# Allegro board 6089-119-RevB_08.brd (continued)
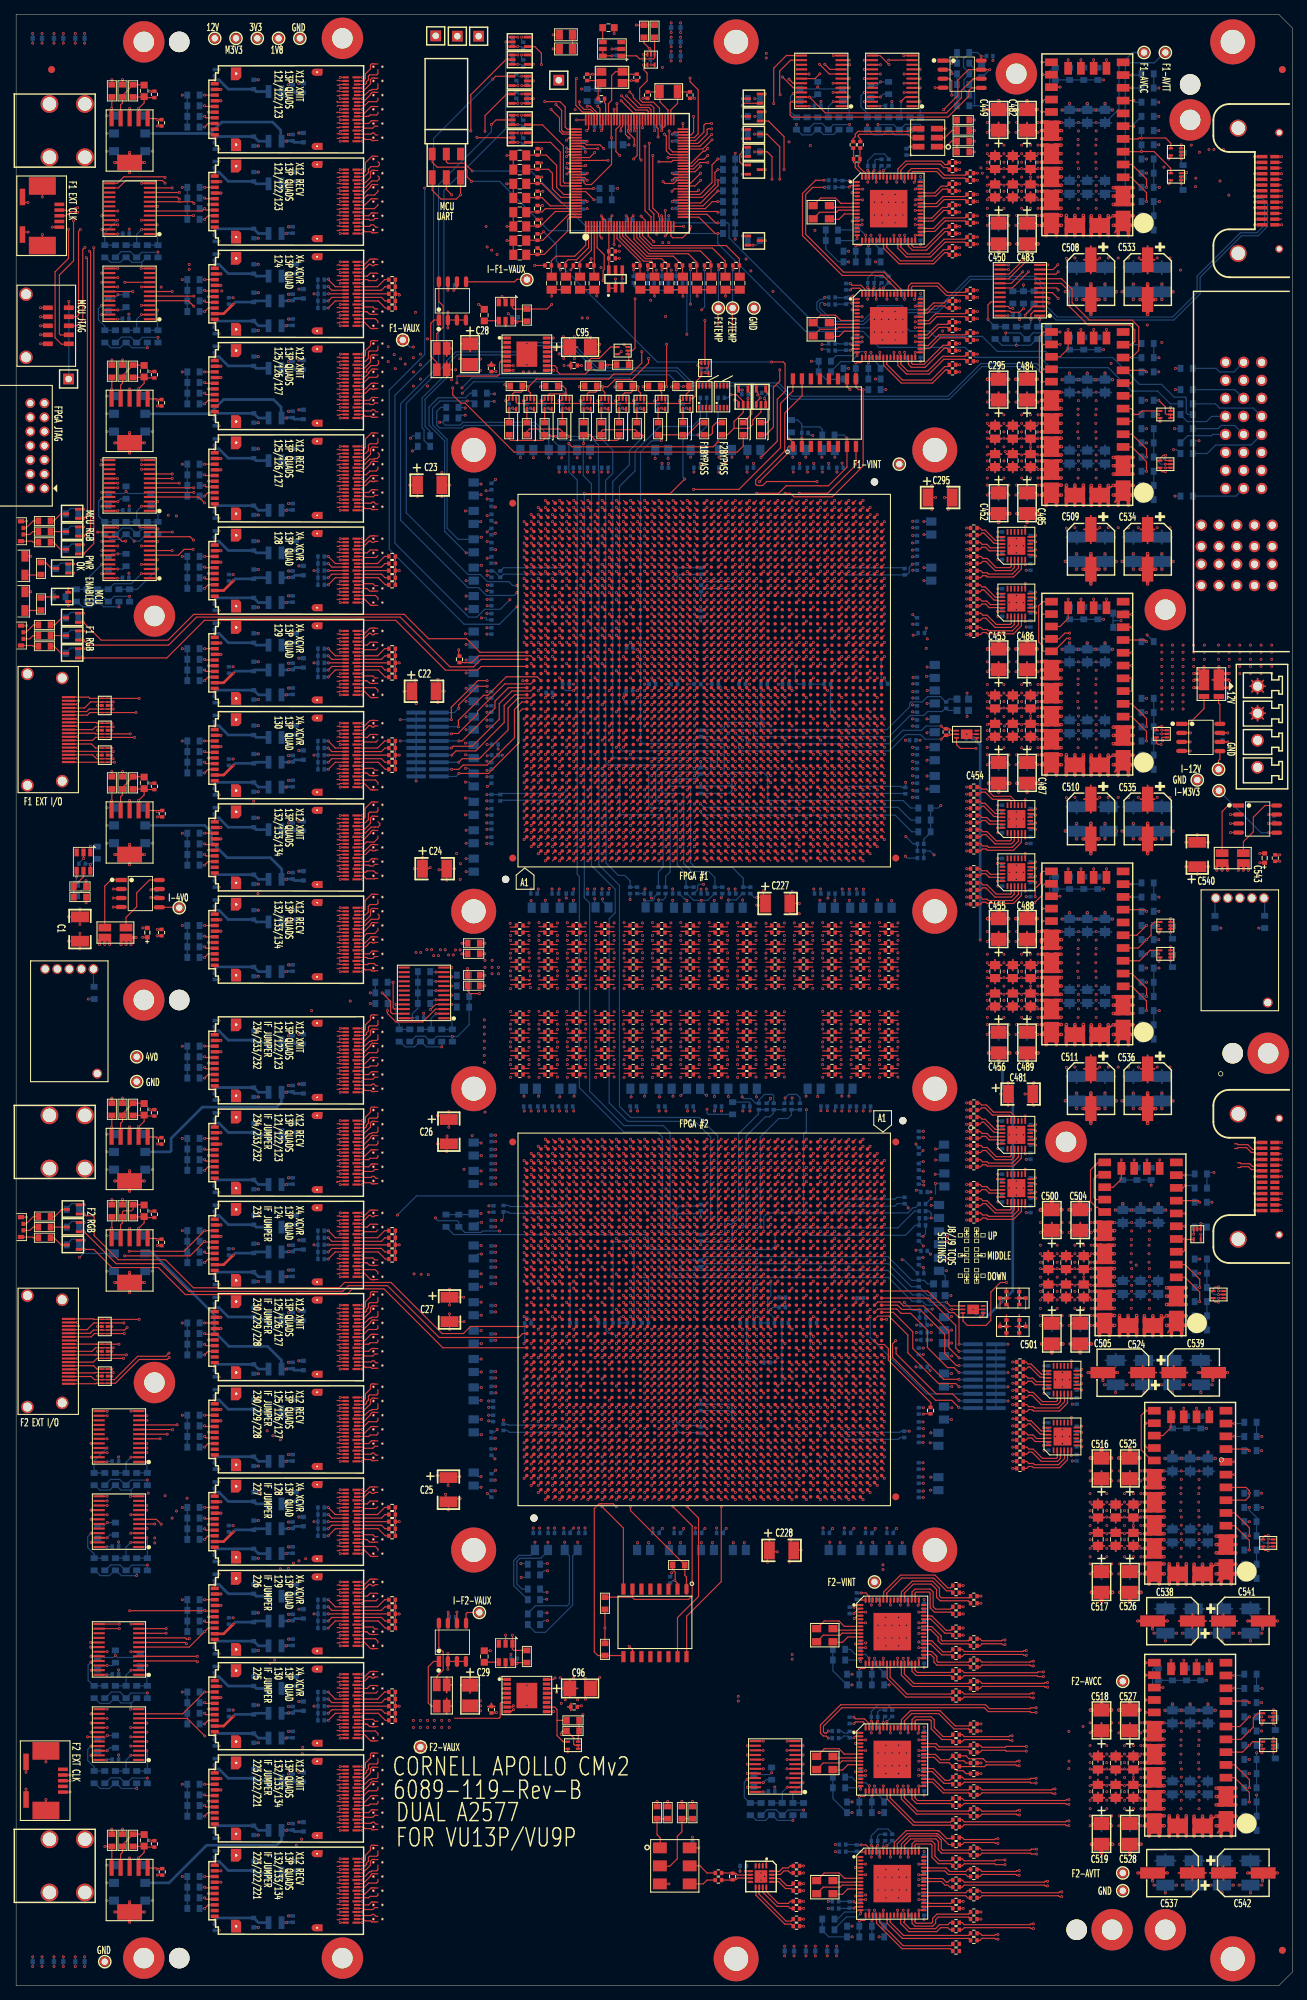
[diagram p0: board, top side]
## Routing (per net, layer and track width the routed paths; a pad name or vN(x,y) marks a point on that pad's centre or on a via; arc(x,y) is an arc through that point) (continued)
NF2_M_XMIT0: length 34.4
  TOP w0.165: 72.51,141.24 72.52,141.22 72.52,141.21 72.5,141.18 72.45,141.18 72.39,141.12 72.3,141.16 72.3,141.09 71.64,141.09 C49.2 ; U77.BK8 72.61,112.29
  SIG1 w0.083: 72.61,112.29 72.61,112.27 arc(72.5,112.01) 72.25,111.91 71.4,111.91 arc(71.3,111.95) 71.26,112.05 71.26,116.61 71.45,116.81 71.45,117.14 71.26,117.33 71.26,117.66 71.45,117.85 71.45,118.18 71.26,118.37 71.26,118.7 71.45,118.89 71.45,119.22 71.26,119.41 71.26,119.74 71.45,119.93 71.45,120.26 71.26,120.45 71.26,120.78 71.45,120.97 71.45,121.3 71.26,121.49 71.26,125.18 71.24,125.2 71.24,125.34 arc(71.33,125.8) 71.59,126.19 arc(71.85,126.58) 71.94,127.05 71.94,141.32 arc(71.97,141.38) 72.02,141.4 72.12,141.4 arc(72.33,141.36) 72.51,141.24
NF2_M_XMIT1: length 38.5
  TOP w0.165: U77.BL10 71.61,110.29 ; 72.35,143.55 71.6,143.55 C47.2
  SIG1 w0.083: 71.61,110.29 71.61,110.17 arc(71.53,109.99) 71.35,109.91 71,109.91 arc(70.62,110.07) 70.46,110.45 70.46,113.37 70.6,113.51 70.6,113.84 70.46,113.98 70.46,114.31 70.6,114.45 70.6,114.78 70.46,114.92 70.46,115.25 70.6,115.39 70.6,115.72 70.46,115.86 70.46,121.55 70.65,121.74 70.65,122.07 70.46,122.26 70.46,122.59 70.65,122.78 70.65,123.11 70.46,123.3 70.46,123.63 70.65,123.82 70.65,124.15 70.46,124.34 70.46,125.38 arc(70.48,125.54) 70.52,125.69 arc(70.55,125.75) 70.58,125.8 arc(70.63,125.88) 70.7,125.95 71.1,126.35 arc(71.33,126.7) 71.41,127.1 71.41,143.21 arc(71.58,143.64) 72.01,143.81 72.08,143.81 arc(72.11,143.8) 72.14,143.78 72.35,143.55
NF2_M_XMIT2: length 44.7
  TOP w0.165: 72.3,146.09 71.64,146.09 C45.2 ; U77.BK12 72.61,108.29
  SIG1 w0.083: 72.3,146.09 72.1,146.29 arc(72.07,146.31) 72.04,146.31 71.96,146.31 arc(71.18,145.99) 70.86,145.22 70.86,127.7 arc(70.75,127.16) 70.44,126.7 70.2,126.45 arc(69.84,125.91) 69.71,125.27 69.71,122.06 69.85,121.92 69.85,121.59 69.71,121.45 69.71,121.12 69.85,120.98 69.85,120.65 69.71,120.51 69.71,120.18 69.85,120.04 69.85,119.71 69.71,119.57 69.71,119.24 69.85,119.1 69.85,118.77 69.71,118.63 69.71,118.3 69.85,118.16 69.85,117.83 69.71,117.69 69.71,117.36 69.85,117.22 69.85,116.89 69.71,116.75 69.71,108.75 arc(69.96,108.16) 70.55,107.91 72.1,107.91 arc(72.22,107.93) 72.32,108 72.61,108.29
NF2_M_XMIT3: length 48.9
  TOP w0.165: C43.2 71.6,148.55 72.3,148.55 ; U77.BL14 71.61,106.29
  SIG1 w0.083: 71.61,106.29 71.61,106.17 arc(71.52,105.95) 71.3,105.86 71.2,105.86 arc(69.86,106.41) 69.31,107.75 69.31,107.94 arc(69.25,108.21) 69.1,108.45 69.05,108.5 arc(68.91,108.71) 68.86,108.95 68.86,112.63 68.95,112.72 68.95,113.05 68.86,113.14 68.86,113.47 68.95,113.56 68.95,113.89 68.86,113.98 68.86,114.31 68.95,114.4 68.95,114.73 68.86,114.82 68.86,115.15 68.95,115.24 68.95,115.57 68.86,115.66 68.86,122.22 68.95,122.31 68.95,122.64 68.86,122.73 68.86,123.06 68.95,123.15 68.95,123.48 68.86,123.57 68.86,123.9 68.95,123.99 68.95,124.32 68.86,124.41 68.86,124.74 68.95,124.83 68.95,125.16 68.86,125.25 68.86,126.03 arc(68.87,126.06) 68.88,126.09 70.15,127.35 arc(70.23,127.48) 70.26,127.62 70.26,147.08 arc(70.76,148.28) 71.96,148.78 72.04,148.78 arc(72.07,148.77) 72.1,148.75 72.3,148.55
NF2_N_RECV0: length 15.3
  TOP w0.165: 76.3,129.25 75.6,129.25 C72.1 ; U77.BF3 76.61,117.29
  SIG2 w0.083: 76.3,129.25 76.09,129.04 arc(76.05,129.01) 76,129 arc(75.76,128.9) 75.67,128.67 75.67,127.55 arc(75.7,127.4) 75.78,127.27 ; 75.78,127.27 75.78,127.27 75.78,127.27 ; 75.78,127.27 76.84,126.21 arc(76.95,126.04) 76.99,125.85 76.99,117.11 arc(76.93,116.96) 76.77,116.9 76.69,116.9 arc(76.63,116.92) 76.61,116.98 76.61,117.29
NF2_N_RECV1: length 19.8
  TOP w0.165: 76.3,131.71 75.64,131.71 C70.1 ; U77.BG5 75.61,115.29
  SIG2 w0.083: 75.61,115.29 75.61,114.98 arc(75.63,114.92) 75.69,114.9 75.77,114.9 arc(75.97,114.98) 76.05,115.17 76.05,123.03 76.04,123.03 76.04,123.5 76.05,123.5 76.05,125.23 arc(75.95,125.76) 75.67,126.22 arc(75.32,126.81) 75.19,127.49 75.19,130.72 arc(75.42,131.26) 75.96,131.49 76.04,131.49 arc(76.07,131.49) 76.1,131.51 76.3,131.71
NF2_N_RECV2: length 18.8
  TOP w0.165: C69.1 75.59,133.54 76.3,133.54 ; U77.BG1 75.61,119.29
  SIG2 w0.083: 75.61,119.29 75.61,118.98 arc(75.58,118.92) 75.53,118.9 75.44,118.9 arc(75.32,118.95) 75.28,119.06 75.28,119.95 75.5,120.18 75.5,120.51 75.28,120.73 75.28,121.06 75.5,121.29 75.5,121.62 75.28,121.84 75.28,122.17 75.5,122.4 75.5,122.73 75.28,122.95 75.28,123.42 arc(75.27,123.48) 75.26,123.55 arc(75.22,123.7) 75.14,123.84 arc(74.92,124.31) 74.85,124.83 74.85,125.4 74.95,125.5 74.95,125.83 74.85,125.93 74.85,126.26 74.95,126.36 74.95,126.69 74.85,126.79 74.85,132.66 arc(75.17,133.44) 75.96,133.77 76.04,133.77 arc(76.07,133.76) 76.1,133.74 76.3,133.54
NF2_N_RECV3: length 23.8
  TOP w0.165: C67.1 75.59,136.04 76.3,136.04 ; U77.BH3 74.61,117.29
  SIG2 w0.083: 76.3,136.04 76.1,136.24 arc(76.07,136.26) 76.04,136.27 75.2,136.27 arc(74.56,136) 74.3,135.37 74.3,127.54 74.4,127.44 74.4,127.11 74.3,127.01 74.3,126.68 74.4,126.58 74.4,126.25 74.3,126.15 74.3,125.82 74.4,125.72 74.4,125.39 74.3,125.29 74.3,123.8 arc(74.29,123.69) 74.25,123.57 arc(74.22,123.46) 74.21,123.34 74.21,122.8 74.35,122.66 74.35,122.33 74.21,122.19 74.21,121.86 74.35,121.72 74.35,121.39 74.21,121.25 74.21,120.92 74.35,120.77 74.35,120.44 74.21,120.3 74.21,117.13 arc(74.28,116.97) 74.44,116.9 74.53,116.9 arc(74.58,116.92) 74.61,116.98 74.61,117.29
NF2_N_XMIT0: length 32.8
  TOP w0.165: C64.2 75.6,141.75 76.3,141.75 ; U77.BF8 76.61,112.29
  SIG1 w0.083: 76.3,141.75 76.08,141.53 arc(76.04,141.5) 76,141.5 arc(75.9,141.48) 75.82,141.42 75.75,141.35 arc(75.67,141.23) 75.64,141.08 75.64,140.59 arc(75.72,140.2) 75.94,139.86 76.98,138.83 arc(77.02,138.76) 77.04,138.68 77.04,112.06 77.05,112.05 arc(77.01,111.95) 76.91,111.91 76.83,111.91 arc(76.67,111.97) 76.61,112.13 76.61,112.29
NF2_N_XMIT1: length 36.4
  TOP w0.165: C62.2 75.64,144.21 76.3,144.21 ; U77.BH8 74.61,112.29
  SIG1 w0.083: 76.3,144.21 76.19,144.1 arc(76.03,144) 75.85,143.96 75.64,143.96 arc(75.48,143.93) 75.35,143.84 75.28,143.77 arc(75.22,143.68) 75.2,143.57 75.2,139.06 arc(75.25,138.78) 75.41,138.54 75.49,138.46 arc(75.6,138.3) 75.64,138.1 75.64,127.88 arc(75.68,127.68) 75.8,127.5 76,127.3 76.01,127.28 arc(76.04,127.18) 76.05,127.07 76.05,125.58 76.04,125.58 76.04,125.53 arc(76.04,125.48) 76.04,125.44 arc(76.03,125.39) 76.03,125.35 arc(76.03,125.3) 76.04,125.25 arc(76.05,125.18) 76.05,125.12 76.05,123.4 arc(76.05,123.36) 76.05,123.31 arc(76.04,123.26) 76.05,123.21 arc(76.05,123.18) 76.05,123.15 76.05,112.05 arc(75.99,111.92) 75.86,111.86 75.15,111.86 arc(75.05,111.88) 74.96,111.94 74.61,112.29
NF2_N_XMIT2: length 43.9
  TOP w0.165: C59.2 75.6,148.55 76.3,148.55 ; U77.BJ10 73.61,110.29
  SIG1 w0.083: 76.3,148.55 76.07,148.78 arc(76.05,148.8) 76.03,148.8 74.75,148.8 arc(74.43,148.67) 74.3,148.35 74.3,140.05 arc(74.22,139.63) 73.98,139.28 73.45,138.75 arc(73.3,138.53) 73.25,138.27 73.25,122.89 arc(73.26,122.85) 73.28,122.82 73.45,122.65 73.45,122.32 73.25,122.12 73.25,121.79 73.45,121.59 73.45,121.26 73.25,121.06 73.25,120.73 73.45,120.53 73.45,120.2 73.25,120 73.25,119.67 73.45,119.47 73.45,119.14 73.25,118.94 73.25,110.09 arc(73.31,109.95) 73.44,109.9 73.53,109.9 arc(73.58,109.92) 73.61,109.98 73.61,110.29
NF2_N_XMIT3: length 41.8
  TOP w0.165: 76.3,146.05 75.6,146.05 C61.2 ; U77.BG10 75.61,110.29
  SIG1 w0.083: 75.61,110.29 75.61,109.98 arc(75.58,109.92) 75.53,109.9 74.45,109.9 74.45,109.9 74.4,109.92 74.39,109.93 74.37,109.93 74.36,109.93 74.33,109.93 74.31,109.95 74.28,109.97 74.25,110.04 74.25,120.18 74.4,120.33 74.4,120.66 74.25,120.8 74.25,121.13 74.4,121.28 74.4,121.61 74.25,121.76 74.25,122.09 74.4,122.23 74.4,122.56 74.25,122.71 74.25,123.64 74.4,123.79 74.4,124.12 74.25,124.27 74.25,124.6 74.4,124.74 74.4,125.07 74.25,125.22 74.25,125.55 74.4,125.69 74.4,126.02 74.25,126.17 74.25,126.59 arc(74.31,126.87) 74.47,127.11 74.73,127.37 arc(74.89,127.61) 74.95,127.9 74.95,146.05 arc(75.02,146.21) 75.18,146.28 76.04,146.28 arc(76.07,146.27) 76.1,146.25 76.3,146.05
NF2_O_RECV0: length 15.3
  TOP w0.165: U77.BB3 80.61,117.29 ; 80.3,129.25 79.6,129.25 C92.1
  SIG2 w0.083: 79.78,127.27 79.78,127.27 79.78,127.27 ; 79.78,127.27 80.84,126.21 arc(80.95,126.04) 80.99,125.85 80.99,117.11 arc(80.93,116.96) 80.77,116.9 80.69,116.9 arc(80.63,116.92) 80.61,116.98 80.61,117.29 ; 79.78,127.27 arc(79.7,127.4) 79.67,127.55 79.67,128.67 arc(79.76,128.9) 80,129 arc(80.05,129.01) 80.09,129.04 80.3,129.25
NF2_O_RECV1: length 15.9
  TOP w0.165: C90.1 79.64,131.71 80.3,131.71 ; U77.BC1 79.61,119.29
  SIG2 w0.083: 79.61,119.29 79.61,118.98 arc(79.63,118.92) 79.69,118.9 79.77,118.9 arc(79.96,118.97) 80.04,119.16 80.04,125.75 arc(79.98,126.04) 79.82,126.28 79.48,126.62 arc(79.27,126.94) 79.19,127.33 79.19,130.72 arc(79.42,131.26) 79.96,131.49 80.04,131.49 arc(80.07,131.49) 80.1,131.51 80.3,131.71
NF2_O_RECV2: length 20.9
  TOP w0.165: 80.3,134.25 79.6,134.25 C88.1 ; U77.BD3 78.61,117.29
  SIG2 w0.083: 80.3,134.25 80.1,134.05 arc(80.07,134.03) 80.04,134.02 79.25,134.02 arc(78.82,133.85) 78.64,133.42 78.64,126.46 arc(78.7,126.18) 78.84,125.92 arc(78.99,125.65) 79.04,125.35 79.04,117.16 arc(78.96,116.97) 78.77,116.9 78.69,116.9 arc(78.63,116.92) 78.61,116.98 78.61,117.29
NF2_O_RECV3: length 21.6
  TOP w0.165: 80.3,136.7 79.65,136.7 C86.1 ; U77.BE1 77.61,119.29
  SIG2 w0.083: 77.61,119.29 77.61,118.98 arc(77.63,118.92) 77.69,118.9 77.77,118.9 77.89,118.95 77.94,119.06 77.94,123.1 77.94,123.11 77.94,123.39 77.94,123.4 77.94,124.42 arc(77.96,124.63) 78.01,124.84 78.04,124.93 arc(78.05,124.95) 78.05,124.98 78.09,125.22 arc(78.1,125.31) 78.1,125.39 78.1,135.57 arc(78.36,136.21) 79,136.47 80.04,136.47 arc(80.07,136.48) 80.1,136.5 80.3,136.7
NF2_O_XMIT0: length 32.8
  TOP w0.165: C84.2 79.6,141.75 80.3,141.75 ; U77.BB8 80.61,112.29
  SIG1 w0.083: 80.61,112.29 80.61,112.13 arc(80.67,111.97) 80.83,111.91 80.91,111.91 arc(81.01,111.95) 81.05,112.05 81.04,112.06 81.04,135.83 81.04,135.83 81.04,136.3 81.04,136.3 81.04,138.56 arc(80.98,138.89) 80.79,139.16 79.84,140.12 arc(79.69,140.33) 79.64,140.59 79.64,141.08 arc(79.67,141.23) 79.75,141.35 79.82,141.42 arc(79.9,141.48) 80,141.5 arc(80.04,141.5) 80.08,141.53 80.3,141.75
NF2_O_XMIT1: length 33.5
  TOP w0.165: C82.2 79.64,144.21 80.3,144.21 ; U77.BC6 79.61,114.29
  SIG1 w0.083: 80.3,144.21 80.19,144.1 arc(80.03,144) 79.85,143.96 79.64,143.96 arc(79.48,143.93) 79.35,143.84 79.28,143.77 arc(79.22,143.68) 79.2,143.57 79.2,139.06 arc(79.25,138.78) 79.41,138.54 79.49,138.46 arc(79.6,138.3) 79.64,138.1 79.64,127.88 arc(79.68,127.68) 79.8,127.5 80,127.3 80.01,127.28 arc(80.04,127.18) 80.05,127.07 80.05,125.58 80.04,125.58 80.04,125.12 80.05,125.11 80.05,114.05 arc(80.01,113.95) 79.91,113.91 79.83,113.91 arc(79.67,113.97) 79.61,114.13 79.61,114.29
NF2_O_XMIT2: length 38.2
  TOP w0.165: C80.2 79.6,146.75 80.3,146.75 ; U77.BD8 78.61,112.29
  SIG1 w0.083: 80.3,146.75 80.18,146.63 arc(80.05,146.54) 79.9,146.51 79.47,146.51 arc(79.41,146.51) 79.35,146.5 arc(79.13,146.44) 78.94,146.33 arc(78.88,146.29) 78.84,146.24 arc(78.69,145.99) 78.64,145.71 78.64,138.38 78.74,138 78.74,127.1 arc(78.78,126.92) 78.88,126.78 78.93,126.72 arc(79.02,126.59) 79.05,126.43 79.05,123.5 79.04,123.5 79.04,123.03 79.05,123.03 79.05,112.05 arc(79.01,111.95) 78.91,111.91 78.83,111.91 arc(78.67,111.97) 78.61,112.13 78.61,112.29
NF2_O_XMIT3: length 39.3
  TOP w0.165: U77.BE6 77.61,114.29 ; 80.3,149.2 79.65,149.2 C78.2
  SIG1 w0.083: 77.61,114.29 77.61,114.13 arc(77.67,113.97) 77.83,113.91 77.91,113.91 arc(78.01,113.95) 78.05,114.05 78.05,148.34 arc(78.05,148.4) 78.07,148.47 arc(78.14,148.65) 78.27,148.81 arc(78.43,148.92) 78.62,148.96 79.9,148.96 arc(80.05,148.99) 80.17,149.07 80.3,149.2
NF2_P_RECV0: length 15.3
  TOP w0.165: 84.3,129.25 83.6,129.25 C113.1 ; U77.AV3 84.61,117.29
  SIG2 w0.083: 84.3,129.25 84.09,129.04 arc(84.05,129.01) 84,129 arc(83.76,128.9) 83.67,128.67 83.67,127.55 arc(83.7,127.4) 83.78,127.27 ; 83.78,127.27 83.78,127.27 83.78,127.27 ; 83.78,127.27 84.84,126.21 arc(84.95,126.04) 84.99,125.85 84.99,117.11 arc(84.93,116.96) 84.77,116.9 84.69,116.9 arc(84.63,116.92) 84.61,116.98 84.61,117.29
NF2_P_RECV1: length 15.9
  TOP w0.165: C111.1 83.64,131.71 84.3,131.71 ; U77.AW1 83.61,119.29
  SIG2 w0.083: 84.3,131.71 84.1,131.51 arc(84.07,131.49) 84.04,131.49 83.96,131.49 arc(83.42,131.26) 83.19,130.72 83.19,127.33 arc(83.27,126.94) 83.48,126.62 83.82,126.28 arc(83.98,126.04) 84.04,125.75 84.04,119.16 arc(83.96,118.97) 83.77,118.9 83.69,118.9 arc(83.63,118.92) 83.61,118.98 83.61,119.29
NF2_P_RECV2: length 20.9
  TOP w0.165: 84.3,134.25 83.6,134.25 C109.1 ; U77.AY3 82.61,117.29
  SIG2 w0.083: 84.3,134.25 84.1,134.05 arc(84.07,134.03) 84.04,134.02 83.25,134.02 arc(82.82,133.85) 82.64,133.42 82.64,126.46 arc(82.7,126.18) 82.84,125.92 arc(82.99,125.65) 83.04,125.35 83.04,117.16 arc(82.96,116.97) 82.77,116.9 82.69,116.9 arc(82.63,116.92) 82.61,116.98 82.61,117.29
NF2_P_RECV3: length 21.6
  TOP w0.165: C107.1 83.65,136.7 84.3,136.7 ; U77.BA1 81.61,119.29
  SIG2 w0.083: 84.3,136.7 84.1,136.5 arc(84.07,136.48) 84.04,136.47 83,136.47 arc(82.36,136.21) 82.1,135.57 82.1,125.3 arc(82.08,125.07) 82.01,124.84 arc(81.98,124.75) 81.96,124.67 arc(81.94,124.6) 81.94,124.54 81.94,119.06 arc(81.89,118.95) 81.77,118.9 81.69,118.9 arc(81.63,118.92) 81.61,118.98 81.61,119.29
NF2_P_XMIT0: length 32.8
  TOP w0.165: 84.3,141.75 83.6,141.75 C105.2 ; U77.AV8 84.61,112.29
  SIG1 w0.083: 84.61,112.29 84.61,112.13 arc(84.67,111.97) 84.83,111.91 84.91,111.91 arc(85.01,111.95) 85.05,112.05 85.04,112.06 85.04,138.56 arc(84.98,138.89) 84.79,139.16 83.84,140.11 arc(83.69,140.33) 83.64,140.59 83.64,141.08 arc(83.67,141.23) 83.75,141.35 83.82,141.42 arc(83.9,141.48) 84,141.5 arc(84.04,141.5) 84.08,141.53 84.3,141.75
NF2_P_XMIT1: length 33.5
  TOP w0.165: 84.3,144.21 83.64,144.21 C103.2 ; U77.AW6 83.61,114.29
  SIG1 w0.083: 83.61,114.29 83.61,114.13 arc(83.67,113.97) 83.83,113.91 83.91,113.91 arc(84.01,113.95) 84.05,114.05 84.05,125.11 84.04,125.12 84.04,125.58 84.05,125.58 84.05,127.07 arc(84.04,127.18) 84.01,127.28 84,127.3 83.8,127.5 arc(83.68,127.68) 83.64,127.88 83.64,138.1 arc(83.6,138.3) 83.49,138.46 83.41,138.54 arc(83.25,138.78) 83.2,139.06 83.2,143.57 arc(83.22,143.68) 83.28,143.77 83.35,143.84 arc(83.48,143.93) 83.64,143.96 83.85,143.96 arc(84.03,144) 84.19,144.1 84.3,144.21
NF2_P_XMIT2: length 38.2
  TOP w0.165: 84.3,146.75 83.6,146.75 C101.2 ; U77.AY8 82.61,112.29
  SIG1 w0.083: 82.61,112.29 82.61,112.13 arc(82.67,111.97) 82.83,111.91 82.91,111.91 arc(83.01,111.95) 83.05,112.05 83.05,123.03 83.04,123.03 83.04,123.5 83.05,123.5 83.05,126.43 arc(83.02,126.59) 82.93,126.72 82.88,126.78 arc(82.78,126.92) 82.74,127.1 82.74,138 82.64,138.38 82.64,145.71 arc(82.69,145.99) 82.84,146.24 arc(82.88,146.29) 82.94,146.33 arc(83.13,146.44) 83.35,146.5 arc(83.41,146.51) 83.47,146.51 83.9,146.51 arc(84.05,146.54) 84.18,146.63 84.3,146.75
NF2_P_XMIT3: length 39.3
  TOP w0.165: U77.BA6 81.61,114.29 ; 84.3,149.2 83.65,149.2 C99.2
  SIG1 w0.083: 81.61,114.29 81.61,114.13 arc(81.67,113.97) 81.83,113.91 81.91,113.91 arc(82.01,113.95) 82.05,114.05 82.05,148.34 arc(82.05,148.4) 82.07,148.47 arc(82.14,148.65) 82.27,148.81 arc(82.43,148.92) 82.62,148.96 83.9,148.96 arc(84.05,148.99) 84.17,149.07 84.3,149.2
NF2_TCDS_CROSS_RECV_A: length 114.9
  TOP w0.165: 112.3,148.54 111.59,148.54 C238.1 ; U77.BH35 74.61,84.51
  SIG2 w0.083: 112.3,148.54 112.1,148.74 arc(112.07,148.76) 112.04,148.77 111,148.77 arc(110.51,148.56) 110.31,148.07 110.31,140.34 arc(110.26,140.08) 110.11,139.87 110.03,139.78 arc(109.71,139.57) 109.32,139.49 70.34,139.49 arc(69.51,139.33) 68.8,138.86 67.83,137.89 arc(67.4,137.25) 67.25,136.49 67.25,111.78 arc(67.48,110.64) 68.13,109.67 68.99,108.81 arc(69.37,108.24) 69.5,107.58 69.5,86.85 arc(69.54,86.67) 69.64,86.51 69.9,86.25 arc(70.07,86.14) 70.26,86.1 74.75,86.1 arc(75.07,85.97) 75.2,85.65 75.2,85.33 arc(75.08,85.03) 74.77,84.9 74.69,84.9 arc(74.63,84.88) 74.61,84.82 74.61,84.51
NF2_TCDS_CROSS_RECV_B: length 79.1
  TOP w0.165: C244.1 111.64,141.09 112.3,141.09 ; U77.BH17 74.61,103.29
  SIG2 w0.083: 112.3,141.09 112.1,141.29 arc(112.07,141.31) 112.04,141.32 111.96,141.32 arc(111.93,141.31) 111.91,141.31 arc(111.86,141.28) 111.84,141.23 111.84,140.22 arc(111.86,140.11) 111.92,140.03 111.97,139.98 arc(112.1,139.78) 112.15,139.54 112.15,135.81 112.25,135.71 112.25,135.38 112.15,135.28 112.15,134.95 112.25,134.85 112.25,134.52 112.15,134.42 112.15,134.09 112.25,133.99 112.25,133.66 112.15,133.56 112.15,133.23 112.25,133.13 112.25,132.8 112.15,132.7 112.15,132.37 112.25,132.27 112.25,131.94 112.15,131.84 112.15,131.51 112.25,131.41 112.25,131.08 112.15,130.98 112.15,130.65 112.25,130.55 112.25,130.22 112.15,130.12 112.15,129.79 112.25,129.69 112.25,129.36 112.15,129.26 112.15,119.89 arc(112.13,119.72) 112.08,119.57 arc(112.05,119.51) 112.05,119.44 112.05,113.15 arc(111.91,112.83) 111.59,112.69 77.5,112.69 arc(77.29,112.61) 77.21,112.4 77.21,105.1 arc(77.09,104.81) 76.8,104.69 74.5,104.69 arc(74.29,104.61) 74.21,104.4 74.21,103 arc(74.25,102.9) 74.35,102.86 74.45,102.86 arc(74.56,102.91) 74.61,103.02 74.61,103.29
NF2_TCDS_CROSS_XMIT_A: length 116
  TOP w0.165: C239.1 111.6,146.75 112.3,146.75 ; U77.BG38 75.61,81.51
  SIG2 w0.083: 75.61,81.51 75.61,81.82 arc(75.58,81.88) 75.53,81.9 75.44,81.9 arc(75.17,82.02) 75.05,82.3 75.05,83.7 arc(75.18,84.02) 75.5,84.15 75.7,84.15 arc(75.91,84.24) 76,84.45 76,86.7 arc(75.94,86.84) 75.8,86.9 70.85,86.9 arc(70.25,87.15) 70,87.75 70,108.12 arc(69.86,108.84) 69.45,109.45 68.7,110.2 arc(68.18,110.97) 68,111.89 68,136.34 arc(68.12,136.95) 68.46,137.46 69.21,138.21 arc(69.93,138.69) 70.77,138.86 109.47,138.86 arc(109.88,138.94) 110.23,139.17 110.23,139.18 arc(110.53,139.63) 110.64,140.17 110.64,145.92 arc(110.82,146.35) 111.25,146.52 112.04,146.52 arc(112.07,146.53) 112.1,146.55 112.3,146.75
NF2_TCDS_CROSS_XMIT_B: length 76.9
  TOP w0.165: C242.1 111.6,143.55 112.3,143.55 ; U77.BG14 75.61,106.29
  SIG2 w0.083: 112.3,143.55 112.1,143.75 arc(112.07,143.77) 112.04,143.78 111.96,143.78 arc(111.56,143.61) 111.4,143.22 111.4,138.95 arc(111.36,138.77) 111.26,138.61 111.24,138.59 arc(111.03,138.28) 110.96,137.91 110.96,135.95 111.05,135.86 111.05,135.53 110.96,135.44 110.96,135.11 111.05,135.02 111.05,134.69 110.96,134.6 110.96,134.27 111.05,134.18 111.05,133.85 110.96,133.76 110.96,133.43 111.05,133.34 111.05,133.01 110.96,132.92 110.96,132.59 111.05,132.5 111.05,132.17 110.96,132.08 110.96,131.75 111.05,131.66 111.05,131.33 110.96,131.24 110.96,130.91 111.05,130.82 111.05,130.49 110.96,130.4 110.96,130.07 111.05,129.98 111.05,129.65 110.96,129.56 110.96,129.23 111.05,129.14 111.05,128.81 110.96,128.72 110.96,114.1 arc(110.84,113.82) 110.56,113.7 75.5,113.7 arc(75.29,113.61) 75.21,113.41 75.21,106.15 arc(75.28,105.98) 75.45,105.91 arc(75.56,105.96) 75.61,106.07 75.61,106.29
NF2_TEST_CONN_0: length 76.8
  TOP w0.165: J6.3 10.61,85.84 11.05,85.4 U8.4 U8.7 13.85,85.4 17.15,88.7 21.1,88.7 v1(21.55,89.15) ; U77.BE28 v1(77.61,91.51)
  PWR3 w0.152: v1(21.55,89.15) 25.3,89.15 26.05,88.4 31.15,88.4 31.45,88.7 41.46,88.7 44.21,85.95 59,85.95 62.65,89.6 68.05,89.6 70.45,92 77.12,92 v1(77.61,91.51)
NF2_TEST_CONN_1: length 90.3
  TOP w0.165: v1(13.5,86.9) U8.10 U8.1 11.4,86.9 10.93,87.37 J6.6 ; U77.AY31 v1(82.61,88.51)
  PWR3 w0.152: v1(82.61,88.51) 83.1,88.02 83.1,86.15 82.95,86 67.79,86 67.76,86.03 67.44,86.03 67.41,86 64,86 50.95,72.95 44.21,72.95 44.11,73.05 43.95,73.05 40.5,76.5 24.6,76.5 14.3,86.8 13.86,86.8 13.86,86.81 13.6,86.81 v1(13.5,86.9)
NF2_TEST_CONN_2: length 93.6
  TOP w0.165: U77.AW29 v1(83.61,90.51) ; v1(15.55,88.9) U7.7 U7.4 11.15,88.9 11.14,88.89 J6.9
  PWR3 w0.152: v1(15.55,88.9) 15.55,90.85 14.75,91.65 14.75,95.25 17,97.5 18,97.5 20.5,95 25.7,95 28.07,97.37 28.43,97.37 28.45,97.38 28.77,97.38 28.78,97.37 31.41,97.37 32.78,96 40.82,96 42.15,97.32 43.42,97.32 44.5,98.4 52.05,98.4 55.35,95.1 65.65,95.1 66.9,93.85 82.95,93.85 83.1,93.7 83.1,91.05 83.61,90.54 v1(83.61,90.51)
NF2_TEST_CONN_3: length 101.8
  TOP w0.165: U77.AV31 v1(84.61,88.51) ; J6.12 11.28,90.42 11.3,90.4 U7.1 U7.10 v1(14.5,90.4)
  PWR3 w0.152: v1(14.5,90.4) 14.5,88.5 12.95,86.95 12.95,83.5 24.6,71.85 51.75,71.85 63.83,83.93 65.74,83.93 65.81,84 84.85,84 85.1,84.25 85.1,88.02 v1(84.61,88.51)
NF2_TEST_CONN_4: length 83.1
  TOP w0.165: J6.19 10.88,93.97 10.95,93.9 U6.1 U6.10 v1(17.35,93.9) ; U77.BA30 v1(81.61,89.51)
  PWR3 w0.152: v1(17.35,93.9) 17.35,92.1 24.65,84.8 49.25,84.8 50.45,83.6 59.35,83.6 63.68,87.93 65.72,87.93 65.79,88 80.9,88 81.1,88.2 81.1,89.05 81.56,89.51 v1(81.61,89.51)
NF2F1_SPARE0: length 219.7
  TOP w0.165: U77.D30 v1(119.39,89.51) ; U75.BH29 v1(119.39,187.29)
  SIG1 w0.083: v1(56.37,145.6) 56.56,145.78 56.56,157.25 64.75,165.45 64.75,186.2 68.45,189.9 118.65,189.9 119,189.55 119,187.37 119.08,187.29 v1(119.39,187.29)
  SIG4 w0.083: v1(56.37,145.6) 56.45,145.52 56.45,144.81 55.46,144.81 53.94,143.29 53.94,124.86 63.63,115.18 arc(63.64,115.15) 63.65,115.12 63.65,93.2 67.96,88.89 118.66,88.89 119,89.22 119,89.43 119.08,89.51 v1(119.39,89.51)
NF2F1_SPARE1: length 201.5
  TOP w0.165: U75.BG30 v1(118.39,188.29) ; U77.D29 v1(119.39,90.51)
  SIG1 w0.083: v1(118.39,188.29) 117.95,187.85 117.1,187.85 117.04,187.91 75.36,187.91 74.99,187.54 74.99,186.14 74.81,185.96 74.8,185.96 74.76,185.92 71.16,185.92 69.8,184.56 69.8,162.25 61.19,153.64 61.19,145.48 v1(60.97,145.25)
  SIG4 w0.083: v1(60.97,145.25) 61.19,145.02 61.19,144.66 66.79,139.06 66.79,121.51 69,119.3 69,97.95 71.24,95.71 76.71,95.71 77,95.42 77,95 77.34,94.66 118.55,94.66 118.76,94.45 118.76,94.44 118.81,94.39 118.81,91.2 119.11,90.9 119.31,90.9 119.39,90.82 v1(119.39,90.51)
NF2F1_SPARE2: length 200.2
  TOP w0.165: U77.C30 v1(120.39,89.51) ; U75.BG27 v1(118.39,185.29)
  SIG1 w0.083: v1(61.92,145.95) 62.15,146.18 62.15,152.85 70.75,161.45 70.75,184.4 71.25,184.9 118.31,184.9 118.39,184.98 v1(118.39,185.29)
  SIG4 w0.083: v1(61.92,145.95) 62.15,145.72 62.15,145.2 62.51,144.84 62.71,144.84 67.99,139.56 67.99,121.61 69.99,119.61 69.99,98.01 71.29,96.71 77.68,96.71 77.75,96.64 77.75,96.64 77.95,96.43 77.95,96.43 77.99,96.4 77.99,96.01 78.3,95.7 119.5,95.7 119.54,95.66 119.55,95.66 119.76,95.45 119.76,95.44 119.8,95.4 119.8,90.21 120.11,89.9 120.31,89.9 120.39,89.82 v1(120.39,89.51)
NMGT_F1_TO_SM_1: length 122.5
  TOP w0.165: U75.BH12 119.39,169.51 ; P2.11 178.38,253.72
  SIG2 w0.083: 119.39,169.51 119.39,169.82 arc(119.42,169.88) 119.47,169.9 125.24,169.9 125.25,169.91 128.17,169.91 128.17,169.91 128.7,169.91 arc(129.17,170) 129.56,170.26 132.34,173.04 arc(132.84,173.78) 133.01,174.65 133.01,193.36 arc(133.14,194.01) 133.51,194.56 arc(133.72,194.7) 133.96,194.75 134.52,194.75 arc(135.65,194.97) 136.61,195.61 138.4,197.4 arc(139.11,197.87) 139.95,198.04 141.79,198.04 arc(142.94,198.27) 143.92,198.92 153.08,208.08 arc(153.4,208.56) 153.51,209.12 153.51,223.45 arc(153.67,224.24) 154.12,224.92 167.05,237.85 arc(168.06,239.36) 168.41,241.13 168.41,243.97 arc(168.6,244.93) 169.15,245.75 169.32,245.93 169.32,245.93 arc(170.13,246.46) 171.08,246.65 175.55,246.65 arc(175.92,246.72) 176.23,246.93 177,247.7 arc(177.15,247.92) 177.2,248.18 177.2,253.42 arc(177.38,253.84) 177.8,254.02 178.05,254.02 arc(178.09,254.01) 178.11,254 178.38,253.72
NMGT_F1_TO_SM_2: length 120.2
  TOP w0.165: U75.BF12 117.39,169.51 ; P2.12 174.58,253.72
  SIG2 w0.083: 117.39,169.51 117.39,169.82 arc(117.42,169.88) 117.47,169.9 117.56,169.9 arc(117.83,170.02) 117.95,170.3 117.95,171.68 arc(117.96,171.74) 118,171.8 arc(118.17,171.91) 118.36,171.95 126.47,171.95 arc(126.96,172.05) 127.37,172.32 128.65,173.61 arc(129.21,174.44) 129.41,175.44 129.41,194.99 arc(129.69,196.4) 130.49,197.59 130.69,197.8 arc(131.74,198.5) 132.97,198.74 133.84,198.74 133.85,198.75 134.16,198.75 arc(135.21,198.95) 136.1,199.55 137.22,200.68 arc(137.65,201.32) 137.8,202.07 137.8,218.87 arc(137.93,219.55) 138.32,220.12 138.5,220.3 arc(138.88,220.56) 139.34,220.65 143.84,220.65 arc(145,220.88) 145.99,221.54 arc(146.49,222.28) 146.66,223.15 146.66,223.69 arc(146.78,224.31) 147.14,224.84 152.95,230.66 152.95,230.68 153.16,230.88 153.18,230.88 159.46,237.17 arc(160.09,238.1) 160.31,239.21 160.31,239.24 arc(160.52,240.27) 161.1,241.15 162.84,242.89 162.88,242.89 163.21,243.22 163.21,243.26 173.7,253.75 arc(174,253.95) 174.35,254.02 174.49,254.02 174.58,253.94 174.58,253.72
NMGT_F2_TO_SM_1: length 128.1
  TOP w0.165: P3.11 178.38,114.83 ; U77.BH12 74.61,108.29
  SIG3 w0.083: 178.38,114.83 178.26,114.95 arc(178.09,115.06) 177.9,115.1 174.42,115.1 arc(174.03,115.02) 173.7,114.8 173.47,114.57 arc(172.45,113.89) 171.25,113.65 155.83,113.65 arc(154.28,113.34) 152.96,112.46 149.03,108.53 arc(148.61,108.25) 148.12,108.15 148.06,108.15 arc(147.6,108.06) 147.21,107.8 136.36,96.95 arc(135.02,96.05) 133.43,95.74 73.45,95.74 arc(73.13,95.87) 73,96.19 73,107.45 arc(73.13,107.76) 73.45,107.9 74.53,107.9 arc(74.58,107.92) 74.61,107.98 74.61,108.29
NMGT_F2_TO_SM_2: length 123.7
  TOP w0.165: U77.BF12 76.61,108.29 ; P3.12 174.72,114.83 174.53,115.02 174.12,115.02 173.73,115.41 172.67,115.41 172.55,115.29 172.21,115.29
  SIG3 w0.083: 76.61,108.29 76.61,108.21 arc(76.52,107.99) 76.3,107.9 75.45,107.9 arc(75.13,107.77) 75,107.45 75,106.05 arc(74.96,105.94) 74.85,105.9 74.4,105.9 arc(74.12,105.78) 74,105.5 74,97.1 arc(74.12,96.82) 74.4,96.7 132.84,96.7 arc(134.19,96.97) 135.33,97.73 144.59,106.99 144.63,106.99 144.96,107.32 144.96,107.36 147.06,109.47 147.06,109.5 147.27,109.71 147.3,109.71 147.36,109.77 152.62,115.03 arc(153.17,115.39) 153.81,115.52 171.95,115.52 arc(171.98,115.51) 172.01,115.49 172.21,115.29